# Altium PCB balenaFin_v1_x_x.PcbDoc (part 4 of 7)
Units mm, origin at the board's own origin, x right, y up, seen from the top; angles counter-clockwise.
Board outline 90.03 x 90.03 mm, 8 copper layers (TOP, GND, INT1, INT2, INT3, INT4, POWER, BOTTOM), stack 1.496 mm thick; 502 components, 409 nets, 2324 pads, 1048 vias.
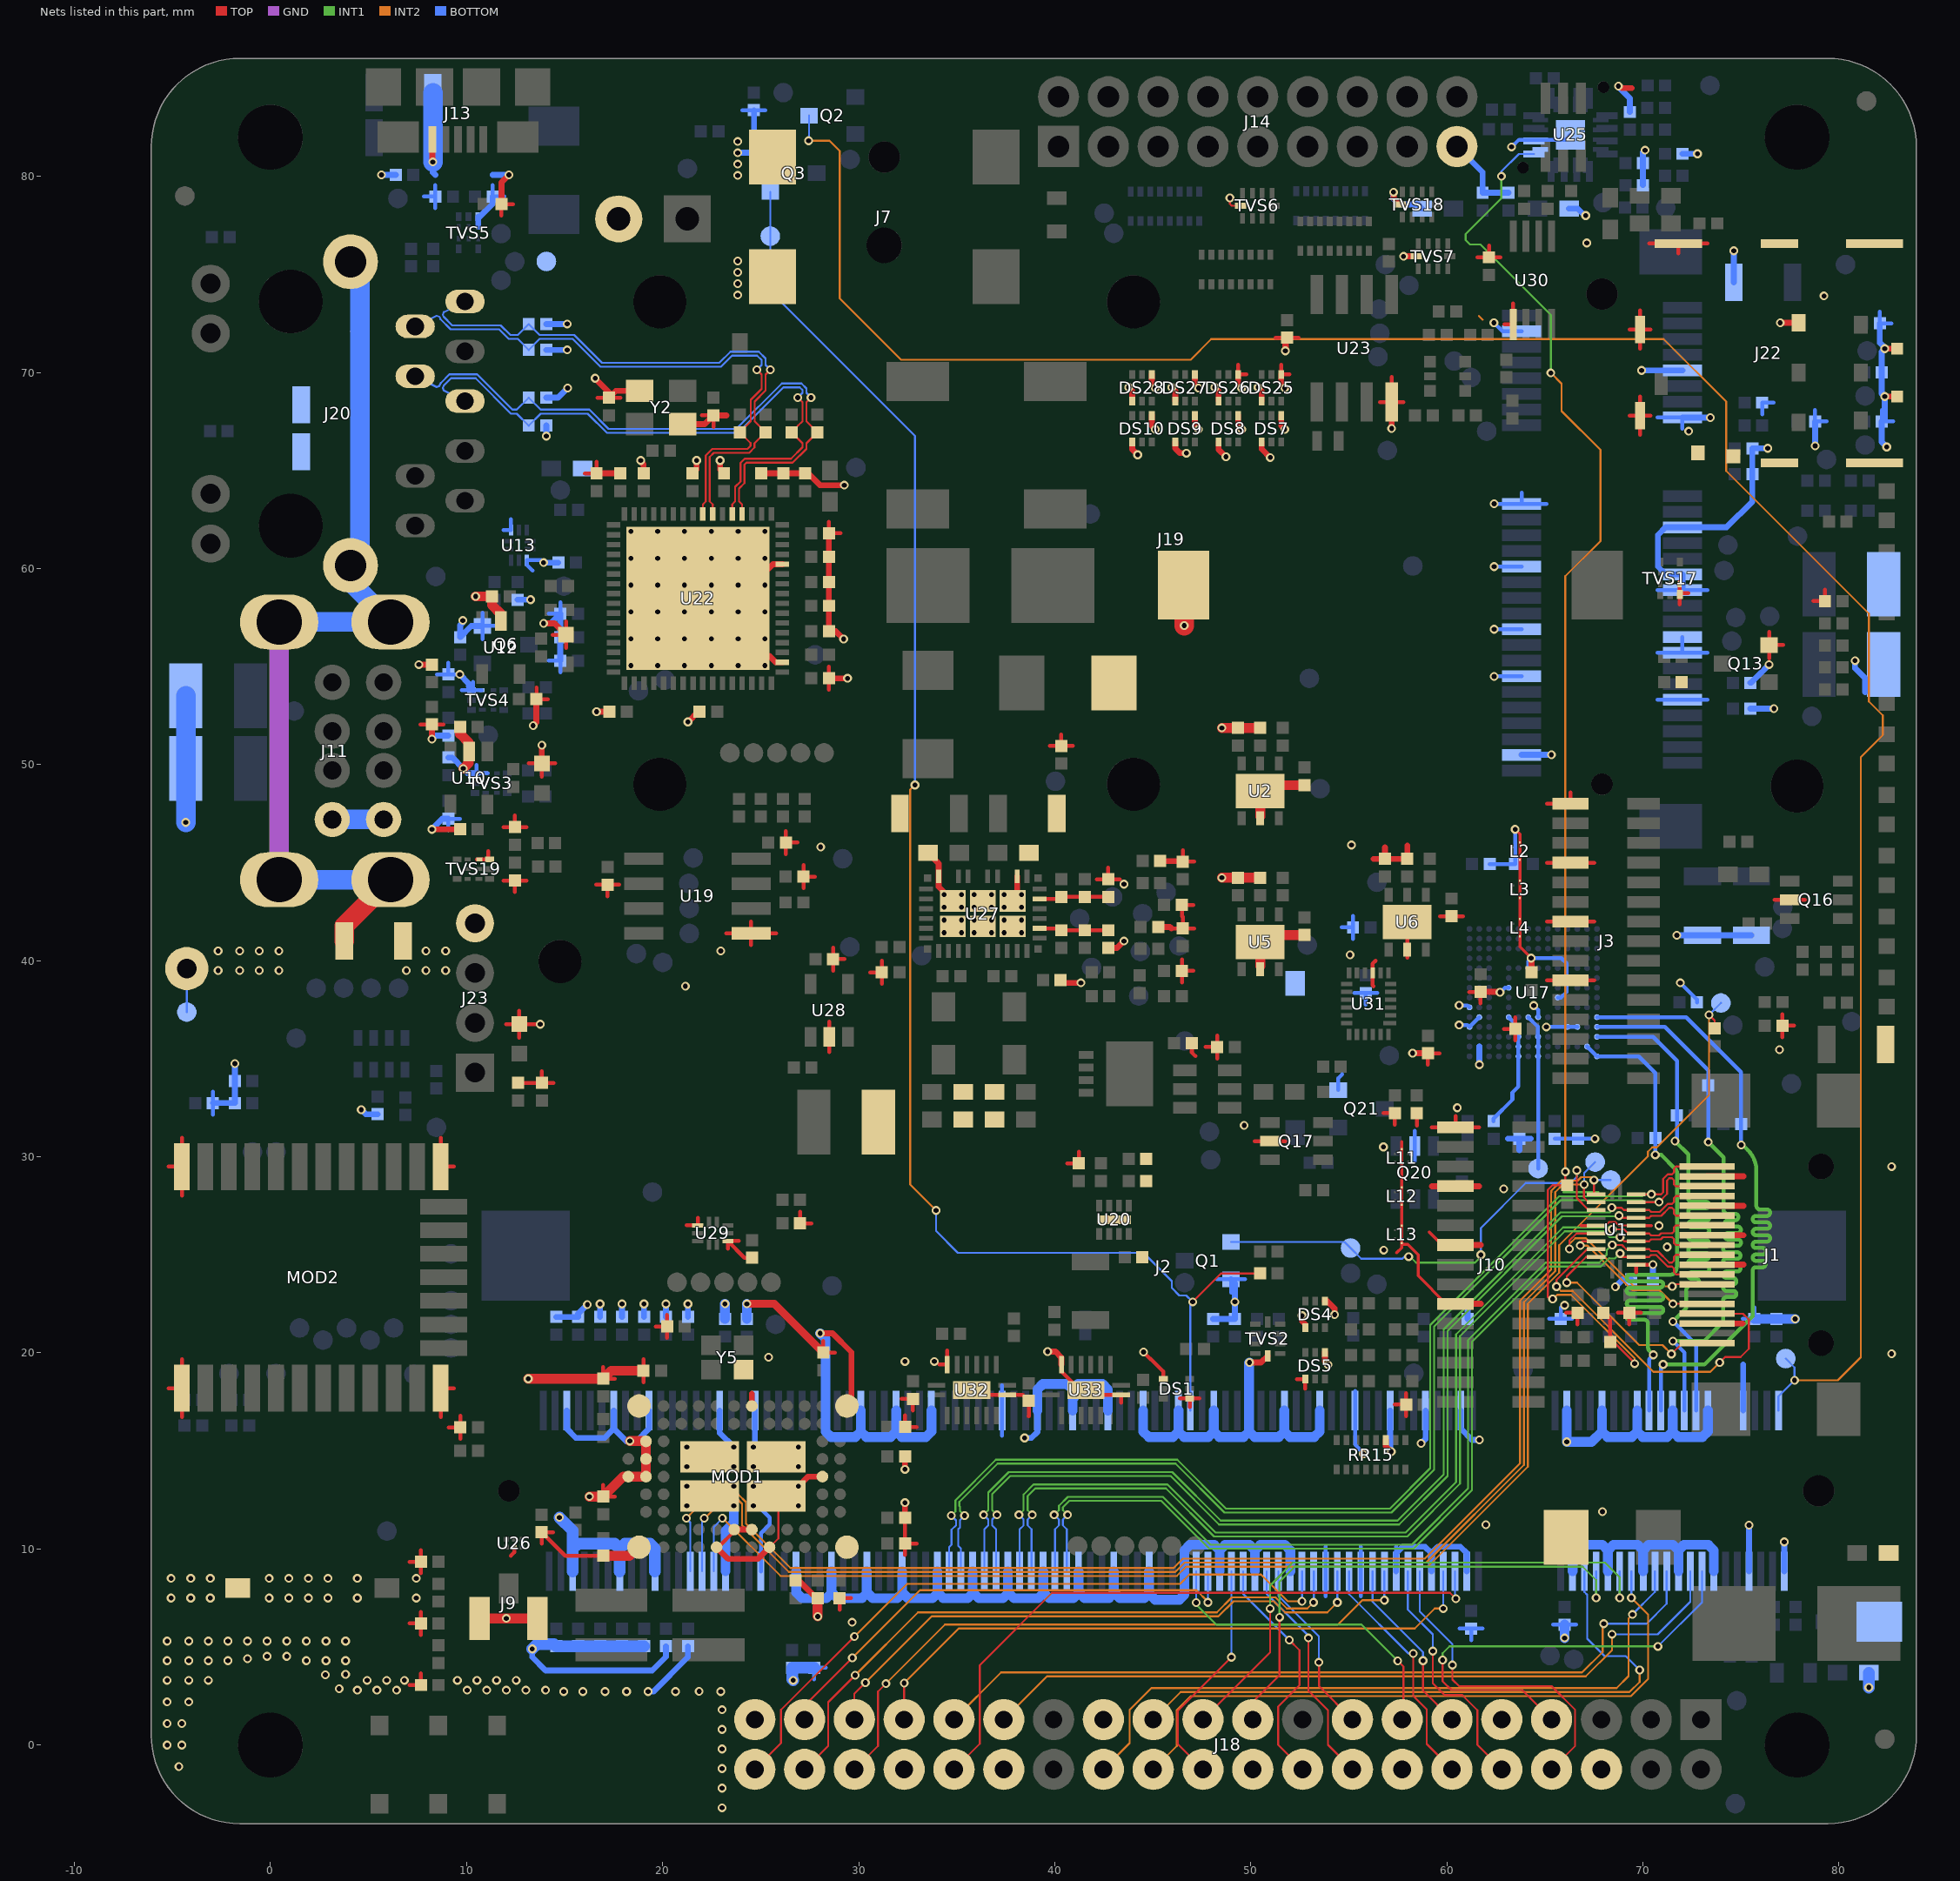
[diagram p10: the nets of this part, all layers, seen from the top]

## Via types
v1: diameter 0.45, hole 0.254, TOP to BOTTOM, tented both sides, 1048 vias

## Nets (pads, with @x,y where several pads share a name; then routed paths per layer and width w, separated by ;. In a path a pad name is that pad's centre, name@x,y a point inside that pad or via, vN(x,y) a via of type N, cw(c..) or ccw(c..) an arc to the next point about the centre after c; other vN are vias at no path point) (continued)
EMMC_D0: J2.16 R138.1 U17.A3 | length 35.6
  INT1 w0.2: v1(71.53,21.6) 72.21,22.28 72.21,23.19 cw(c72.473,23.19) 72.473,23.453 72.697,23.453 ccw(c72.697,23.617) 72.697,23.78 72.473,23.78 cw(c72.473,23.944) 72.473,24.107 73.217,24.107 ccw(c73.217,24.271) 73.217,24.434 72.473,24.434 cw(c72.473,24.598) 72.473,24.761 73.217,24.761 ccw(c73.217,24.925) 73.217,25.088 72.473,25.088 cw(c72.473,25.252) 72.473,25.415 73.217,25.415 ccw(c73.217,25.579) 73.217,25.742 72.473,25.742 cw(c72.473,25.906) 72.473,26.069 73.217,26.069 ccw(c73.217,26.233) 73.217,26.396 72.473,26.396 cw(c72.473,26.56) 72.473,26.723 73.217,26.723 ccw(c73.217,26.887) 73.217,27.05 72.473,27.05 cw(c72.473,27.214) 72.473,27.377 73.217,27.377 ccw(c73.217,27.541) 73.217,27.704 72.473,27.704 cw(c72.473,27.868) 72.31,27.868 72.31,30.12 v1(71.63,30.8)
  BOTTOM w0.2: U17.A3@67.65,36.12 70.51,36.12 71.73,34.9 R138.1@71.73,32.116 71.73,30.9 v1(71.63,30.8) ; v1(71.53,21.6) 72.71,20.42 J2.16@72.71,17.06
EMMC_D1: J2.18 R137.1 U17.A4 | length 35.6
  INT1 w0.2: v1(71.53,20.6) 73.105,20.6 74.085,21.58 74.085,22.677 cw(c74.249,22.677) 74.249,22.84 74.597,22.84 ccw(c74.597,23.003) 74.597,23.167 74.249,23.167 cw(c74.249,23.33) 74.249,23.494 74.597,23.494 ccw(c74.597,23.657) 74.597,23.821 74.249,23.821 cw(c74.249,23.985) 74.249,24.148 74.807,24.148 ccw(c74.807,24.312) 74.807,24.475 74.249,24.475 cw(c74.249,24.639) 74.249,24.802 74.807,24.802 ccw(c74.807,24.965) 74.807,25.129 74.258,25.129 cw(c74.258,25.292) 74.258,25.456 74.832,25.456 ccw(c74.832,25.619) 74.832,25.783 74.334,25.783 cw(c74.334,25.946) 74.334,26.11 74.832,26.11 ccw(c74.832,26.274) 74.832,26.437 74.334,26.437 cw(c74.334,26.601) 74.334,26.764 74.702,26.764 ccw(c74.702,26.928) 74.702,27.091 74.31,27.091 cw(c74.31,27.291) 74.11,27.291 74.11,29.97 v1(73.33,30.75)
  BOTTOM w0.2: U17.A4@67.65,36.62 71.11,36.62 73.33,34.4 R137.1@73.33,33.648 v1(73.33,30.75) ; v1(71.53,20.6) 72.11,20.02 J2.18@72.11,17.06
EMMC_D2: J2.22 R136.1 U17.A5 | length 35.7
  INT1 w0.2: v1(71.03,19.412) 73.142,19.412 75.596,21.866 75.596,24.203 cw(c75.76,24.203) 75.76,24.366 76.099,24.366 ccw(c76.099,24.53) 76.099,24.693 75.76,24.693 cw(c75.76,24.857) 75.76,25.02 76.11,25.02 ccw(c76.11,25.184) 76.11,25.347 75.76,25.347 cw(c75.76,25.511) 75.76,25.674 76.323,25.674 ccw(c76.323,25.838) 76.323,26.001 75.76,26.001 cw(c75.76,26.165) 75.76,26.328 76.323,26.328 ccw(c76.323,26.492) 76.323,26.655 75.76,26.655 cw(c75.76,26.819) 75.76,26.982 76.323,26.982 ccw(c76.323,27.146) 76.323,27.309 75.98,27.309 cw(c75.98,27.509) 75.78,27.509 75.78,29.31 ccw(c74.331,29.31) 75.355,30.335 75.09,30.6 v1(75.005,30.6)
  BOTTOM w0.2: U17.A5@67.65,37.12 72.21,37.12 75.005,34.325 R136.1@75.005,31.675 v1(75.005,30.6) ; J2.22@70.91,17.06 70.91,19.28 71.03,19.4 v1(71.03,19.412)
EMMC_D3: J2.24 R135.1 U17.A1 U17.B2 | length 35.7
  INT1 w0.2: v1(70.53,19.9) 70.319,20.111 cw(c70.46,20.253) 70.26,20.253 70.26,21.491 ccw(c70.06,21.491) 70.06,21.691 69.313,21.691 cw(c69.313,21.854) 69.313,22.017 70.867,22.017 ccw(c70.867,22.181) 70.867,22.344 69.334,22.344 cw(c69.334,22.508) 69.334,22.671 70.867,22.671 ccw(c70.867,22.835) 70.867,22.998 69.334,22.999 cw(c69.334,23.162) 69.334,23.326 70.867,23.326 ccw(c70.867,23.489) 70.867,23.653 69.334,23.653 cw(c69.334,23.816) 69.334,23.979 71.392,23.979 ccw(c71.392,24.279) 71.653,24.134 ; v1(70.63,30.1) 70.93,30.1 71.655,29.375 cw(c71.475,29.195) 71.73,29.195 71.73,24.429 cw(c71.124,24.428) 71.654,24.134
  BOTTOM w0.2: U17.B2@67.15,35.62 U17.A1@67.65,35.12 69.786,35.12 70.63,34.276 R135.1@70.63,30.965 v1(70.63,30.1) ; J2.24@70.31,17.06 70.31,19.68 v1(70.53,19.9)
EMMC_DISABLE_N: J2.2 pad.1@77.28,19.71 Q2.3 | length 118.4
  INT2 w0.1: v1(27.447,81.816) 28.514,81.816 29.037,81.293 29.037,73.776 32.163,70.65 46.931,70.65 47.981,71.7 71.052,71.7 74.24,68.512 74.24,64.973 81.515,57.697 81.515,53.221 82.23,52.506 82.23,51.5 81.11,50.38 81.11,19.78 79.93,18.6 v1(77.73,18.6)
  BOTTOM w0.1: v1(27.447,81.816) 27.465,81.835 Q2.3@27.465,83.1 ; J2.2@76.91,17.06 76.91,17.78 v1(77.73,18.6) 77.73,19.26 pad.1@77.28,19.71
EMMC_DS: pad.1@64.65,29.4 TP41.1 U17.G1 U17.G2 U17.G3 U17.H5 | length 7.9
  BOTTOM w0.2: U17.H5@64.15,37.12 64.63,36.64 64.63,36.14 U17.G3@64.65,36.12 U17.G2@64.65,35.62 U17.G1@64.65,35.12 pad.1@64.65,29.4
EMMC_EN_N_1V8: J2.90 pad.1@25.49,76.95 Q3.1 R22.1 | length 81.1
  TOP w0.1: v1(47.03,22.6) 48.48,24.05 R22.1@50.47,24.05
  INT2 w0.1: v1(32.869,48.961) 32.63,48.722 32.63,28.58 v1(33.945,27.265)
  BOTTOM w0.1: Q3.1@25.49,79.21 pad.1@25.49,76.95 25.49,74.14 32.869,66.761 v1(32.869,48.961) ; v1(33.945,27.265) 33.945,26.215 35.06,25.1 44.53,25.1 45.97,23.66 45.97,23.311 46.351,22.93 46.7,22.93 v1(47.03,22.6) 46.91,22.48 J2.90@46.91,17.06
EMMC_RST: R133.1 U17.J1 U17.J2 U17.J3 U17.K5 | length 6
  BOTTOM w0.2: R133.1@62.38,31.82 62.38,31.95 63.34,32.91 63.34,33.28 63.65,33.59 U17.J1@63.65,35.12 U17.J2@63.65,35.62 U17.J3@63.65,36.12 63.65,36.62 U17.K5@63.15,37.12
ETH_RX+: C138.1 J20.4 R164.1 U22.52 | length 33
  TOP w0.1: U22.52@24.05,62.78 24.05,63.273 23.9,63.423 23.9,64.081 24.171,64.352 24.171,65.3 24.271,65.4 26.628,65.4 27.33,66.102 27.33,66.39 R164.1@27.89,66.95 27.33,67.51 27.33,68.479 v1(27.571,68.72)
  BOTTOM w0.1: J20.4@7.38,69.805 8.471,69.26 8.605,69.304 8.683,69.46 9.123,69.9 10.543,69.9 12.343,68.1 12.56,68.1 C138.1@13.17,68.71 13.78,68.1 16.263,68.1 17.243,67.12 23.757,67.12 26.077,69.44 27.075,69.44 27.33,69.185 27.33,68.96 v1(27.571,68.72)
ETH_RX-: C139.1 J20.5 R165.1 U22.53 | length 32.5
  TOP w0.1: U22.53@23.55,62.78 23.55,63.273 23.7,63.423 23.7,64.163 23.971,64.435 23.971,65.383 24.189,65.6 26.545,65.6 27.13,66.185 27.13,66.39 R165.1@26.57,66.95 26.905,67.285 27.13,67.51 27.13,68.479 v1(26.89,68.72)
  BOTTOM w0.1: J20.5@9.92,68.535 8.829,69.081 8.784,69.215 8.847,69.341 9.206,69.7 10.46,69.7 12.26,67.9 12.56,67.9 C139.1@13.17,67.29 13.78,67.9 16.18,67.9 17.16,66.92 23.84,66.92 26.16,69.24 26.992,69.24 27.13,69.102 27.13,68.96 v1(26.89,68.72)
ETH_TX+: C136.1 J20.1 R162.1 U22.55 | length 30.6
  TOP w0.1: U22.55@22.55,62.78 22.55,63.273 22.4,63.423 22.4,65.687 22.613,65.9 23.4,65.9 ; 23.4,65.901 24.413,65.901 24.684,66.172 24.684,66.384 R162.1@25.25,66.95 24.69,67.51 24.69,68.517 25.25,69.077 25.25,69.894 v1(25.491,70.135)
  BOTTOM w0.1: J20.1@9.92,73.615 8.829,73.07 8.784,72.935 8.833,72.838 9.271,72.4 11.743,72.4 12.233,71.91 12.61,71.91 C136.1@13.17,72.47 13.73,71.91 15.493,71.91 16.913,70.49 22.89,70.49 23.46,71.06 24.903,71.06 25.25,70.713 25.25,70.375 v1(25.491,70.135)
ETH_TX-: C137.1 J20.2 R163.1 U22.56 | length 30.5
  TOP w0.1: U22.56@22.05,62.78 22.05,63.273 22.2,63.423 22.2,65.77 22.53,66.1 23.317,66.1 ; 23.317,66.101 24.33,66.101 24.484,66.255 24.484,66.396 R163.1@23.93,66.95 24.49,67.51 24.49,68.6 25.05,69.16 25.05,69.894 v1(24.81,70.135)
  BOTTOM w0.1: J20.2@7.38,72.345 8.471,72.891 8.605,72.846 8.669,72.719 9.188,72.2 11.66,72.2 12.15,71.71 12.61,71.71 C137.1@13.17,71.15 13.73,71.71 15.41,71.71 16.83,70.29 22.973,70.29 23.543,70.86 24.82,70.86 25.05,70.63 25.05,70.375 v1(24.81,70.135)
FB_3V3: C221.2 R258.1 R266.2 U27.31 | length 3.5
  TOP w0.2: U27.31@39.23,43.15 40.23,43.15 C221.2@40.33,43.25 R258.1@41.53,43.25 R266.2@42.73,43.25
FB_5V: C220.2 R257.1 R265.2 U27.28 | length 3.5
  TOP w0.2: U27.28@39.23,41.65 40.23,41.65 C220.2@40.33,41.55 R257.1@41.53,41.55 R265.2@42.73,41.55
GND_DIGITAL: BAT1.2 C1.2 C2.2 C3.2 C4.1 C5.2 C6.1 C7.2 C8.1 C9.2 C10.2 C11.2 C12.2 C13.1 C14.2 C15.1 C16.2 C17.1 C18.2 C19.1 C20.2 C21.1 C22.2 C23.1 C24.2 C25.1 C26.2 C27.2 C28.2 C39.2 C40.2 C42.2 C43.2 C60.2 C61.2 C63.2 C64.2 C68.2 C69.2 C70.2 C71.1 C75.2 C76.2 C77.2 C78.2 C79.2 C85.2 C86.2 C87.2 C88.2 C89.1 C91.2 C92.2 C93.2 C107.1 C108.1 C109.1 C110.1 C111.1 C112.1 C113.2 C114.2 C115.1 C116.1 C117.2 C118.2 C119.2 C120.2 C121.1 C122.1 C123.2 C124.2 C134.1 C135.2 C136.2 C137.2 C138.2 C139.2 C140.2 C147.2 C148.2 C149.2 C150.2 C151.2 C152.2 C153.2 C154.2 C155.2 C156.2 C170.1 C171.1 C172.1 C173.1 C174.1 C175.1 C176.1 C177.2 C178.2 C179.2 C180.2 C181.2 C182.2 C183.1 C184.2 C185.1 C186.2 C187.1 C188.2 C189.1 C190.1 C191.1 C192.1 C193.1 C194.1 C195.1 C196.1 C197.1 C198.1 C199.1 C201.2 C204.2 C205.1 C206.1 C207.2 C208.2 C209.2 C210.1 C211.2 C212.1 C213.1 C214.1 C215.1 C216.1 C217.1 C222.2 C223.2 C224.2 C225.2 C226.2 C227.2 C228.2 C229.2 C230.2 C231.2 C232.2 C234.2 C235.2 C236.2 C237.2 C238.2 C239.2 C240.2 C241.2 C242.2 C243.2 C244.2 C245.2 DS1.1 DS1.4 DS4.1 DS4.4 DS5.1 DS5.4 DS7.1 DS7.4 DS8.1 DS8.4 DS9.1 DS9.4 DS10.1 DS10.4 DS25.1 DS25.4 DS26.1 DS26.4 DS27.1 DS27.4 DS28.1 DS28.4 DSW1.1 DSW2.1 J1.2 J1.5 J1.8 J1.11 J1.17 J2.1 J2.7 J2.8 J2.13 J2.14 J2.19 J2.20 J2.25 J2.26 J2.31 J2.32 J2.37 J2.38 J2.43 J2.44 J2.49 J2.50 J2.55 J2.56 J2.61 J2.62 J2.67 J2.68 J2.73 J2.74 J2.79 J2.80 J2.85 J2.86 J2.91 J2.92 J2.97 J2.98 J2.103 J2.104 J2.109 J2.110 J2.115 J2.116 J2.121 J2.122 J2.127 J2.133 J2.134 J2.139 J2.140 J2.145 J2.146 J2.151 J2.152 J2.157 J2.163 J2.164 J2.169 J2.170 J2.181 J2.182 J2.187 J2.188 J2.195 J2.196 J3.1 J3.4 J3.7 J3.10 J7.2 J7.3 J9.2 J9.3 J10.1 J10.4 J10.7 J10.10 J11.4 J11.8 J13.5 J14.17 J18.6 J18.9 J18.14 J18.20 J18.25 J18.30 J18.34 J18.39 J19.4 J19.9 J19.15 J19.18 J19.21 J19.26 J19.27 J19.29 J19.34 J19.35 J19.37 J19.40 J19.43 J19.50 J21.2 J22.5 J22.8 J22.9 J22.10 J22.11 J22.12 J22.14 J22.15 J22.16 J22.17 J22.18 J22.19 J23.4 L2.5 L2.6 L3.5 L3.6 L4.5 L4.6 L10.1 L11.5 L11.6 L12.5 L12.6 L13.5 L13.6 LD15.1 LD16.1 LD18.1 MOD1.A1 MOD1.A9 MOD1.B5 MOD1.E4 MOD1.E6 MOD1.E9 MOD1.F1 MOD1.F8 MOD1.G8 MOD1.H4 MOD1.H6 MOD1.H9 MOD1.M1 MOD1.M3 MOD1.M4 MOD1.M5 MOD1.M9 MOD1.N5 MOD2.1 MOD2.12 MOD2.20 MOD2.31 pad.1@14.07,75.66 pad.1@-4.27,37.38 Q1.2 Q3.2 Q6.2 Q13.2 Q16.5 Q17.5 Q20.5 Q21.2 R7.1 R10.1 R18.1 R20.1 R28.2 R29.2 R32.1 R37.1 R46.1 R52.1 R67.1 R96.1 R116.1 R117.1 R132.2 R139.1 R140.1 R153.1 R170.1 R171.1 R201.2 R202.2 R218.1 R221.1 R222.1 R229.1 R231.1 R232.1 R247.1 R260.1 R262.1 R263.1 R264.1 R265.1 R266.1 R275.1 R298.1 R309.1 RR15.11 TP21.1 TVS1.2 TVS2.5 TVS3.3 TVS4.3 TVS5.3 TVS6.5 TVS7.5 TVS15.2 TVS16.2 TVS17.3 TVS18.5 TVS19.3 U1.5 U1.13 U1.18 U2.2 U2.7 U5.2 U5.7 U6.2 U6.7 U10.2 U12.2 U13.3 U13.8 U17.C4 U17.D4 U17.E7 U17.G5 U17.H10 U17.K8 U17.N1 U17.N2 U17.N5 U17.P4 U17.P6 U19.5 U20.9 U22.34 U22.44 U22.65 U23.4 U25.6 U25.17 U26.2 U27.2 U27.10 U27.33 U27.34 U27.35 U27.36 U27.37 U27.38 U28.2 U29.3 U29.8 U30.5 U31.9 U32.8 U32.15 U32.17 U33.8 U33.15 U33.17 Y2.2 Y2.4 Y5.2 | length 723.2
  TOP w0.1: MOD1.E9@25.45,10.09 25.9,10.54 25.9,12.59 MOD1.E6@25.8,12.69 ; v1(48.93,78.9) 48.93,78.6 49.03,78.5 TVS6.5@49.47,78.5 ; U1.5@67.61,26.49 68.09,26.49 68.275,26.675 68.585,26.675 68.76,26.5 69.65,26.5 U1.18@69.66,26.49
  TOP w0.15: 57.43,25.1 57.69,25.36 L13.5@57.69,25.622 ; 57.69,30.77 L13.5@57.69,25.622 ; 59.095,26.165 59.76,25.5 J10.7@60.438,25.5 ; J10.10@60.438,22.5 59.965,22.5 58.53,23.935 58.53,24.997 58.002,25.525 57.788,25.525 L13.5@57.69,25.622 ; v1(63.48,46.7) 63.72,46.46 63.72,40.71 v1(64.299,40.131) ; 66.84,26.49 U1.5@67.61,26.49 ; U1.18@69.66,26.49 70.42,26.49
  TOP w0.2: -5.198,18.2 MOD2.1@-4.52,18.2 ; -5.198,29.5 MOD2.31@-4.52,29.5 ; -4.52,16.722 MOD2.1@-4.52,18.2 ; -4.52,19.678 MOD2.1@-4.52,18.2 ; -4.52,28.022 MOD2.31@-4.52,29.5 ; -4.52,30.978 MOD2.31@-4.52,29.5 ; 7.082,3.06 C60.2@7.67,3.06 7.67,3.648 ; 7.082,6.2 C201.2@7.67,6.2 ; 7.082,9.34 L10.1@7.67,9.34 ; 7.645,52.05 C70.2@8.233,52.05 8.821,52.05 ; 7.67,5.612 C201.2@7.67,6.2 ; 7.67,6.788 C201.2@7.67,6.2 ; 7.67,8.752 L10.1@7.67,9.34 ; 7.67,9.928 L10.1@7.67,9.34 ; 8.68,16.722 MOD2.12@8.68,18.2 9.358,18.2 ; 8.68,30.978 MOD2.20@8.68,29.5 9.358,29.5 ; 9.092,16.2 R275.1@9.68,16.2 ; 9.68,15.612 R275.1@9.68,16.2 ; 9.68,16.788 R275.1@9.68,16.2 ; TVS19.3@10.522,45.17 11.1,45.17 11.1,45.598 ; 11.78,77.992 C88.2@11.78,78.58 12.368,78.58 ; 11.882,44.09 C237.2@12.47,44.09 ; 11.882,46.81 C238.2@12.47,46.81 ; 12.012,36.76 LD18.1@12.69,36.76 ; 12.26,9.66 12.43,9.83 U26.2@12.43,10.1 ; 12.47,43.502 C237.2@12.47,44.09 ; 12.47,47.398 C238.2@12.47,46.81 ; C239.2@12.62,33.77 C236.2@13.84,33.77 ; 12.69,36.082 LD18.1@12.69,36.76 ; 12.69,37.438 LD18.1@12.69,36.76 ; 13.058,44.09 C237.2@12.47,44.09 ; 13.058,46.81 C238.2@12.47,46.81 ; 13.162,50.06 LD15.1@13.84,50.06 ; 13.56,53.928 C75.2@13.56,53.34 14.148,53.34 ; v1(13.76,36.76) LD18.1@12.69,36.76 ; 13.83,10.262 C210.1@13.83,10.85 ; 13.84,34.358 C236.2@13.84,33.77 ; 13.84,49.382 LD15.1@13.84,50.06 ; 14.392,56.62 LD16.1@15.07,56.62 ; 14.418,10.85 C210.1@13.83,10.85 ; 14.428,33.77 C236.2@13.84,33.77 ; 14.518,50.06 LD15.1@13.84,50.06 ; 15.07,55.942 LD16.1@15.07,56.62 ; 15.07,57.298 LD16.1@15.07,56.62 ; 16.042,64.85 C176.1@16.63,64.85 16.63,65.438 ; 16.602,43.87 R170.1@17.19,43.87 ; 16.682,68.71 C148.2@17.27,68.71 17.858,68.71 ; R221.1@16.97,9.65 15.03,9.65 C210.1@13.83,10.85 ; 16.97,13.258 C191.1@16.97,12.67 17.558,12.67 ; 16.97,19.268 R222.1@16.97,18.68 17.558,18.68 ; 17.19,43.282 R170.1@17.19,43.87 ; 17.778,43.87 R170.1@17.19,43.87 ; 19.02,18.502 C196.1@19.02,19.09 19.02,19.678 ; 19.642,21.35 C231.2@20.23,21.35 ; 20.23,20.762 C231.2@20.23,21.35 ; 20.23,21.938 C231.2@20.23,21.35 ; 21.232,26.5 U29.3@21.792,26.5 21.792,26.891 ; 22.002,67.81 C147.2@22.59,67.81 22.59,67.222 ; MOD1.H9@22.75,10.09 22.84,10.09 23.65,10.9 MOD1.G8@23.65,10.99 ; 23.237,41.39 U19.5@24.516,41.39 ; 23.329,25.309 U29.8@23.329,25.7 ; 23.888,25.7 U29.8@23.329,25.7 ; 24.516,40.793 U19.5@24.516,41.39 ; 24.516,41.987 U19.5@24.516,41.39 ; C241.2@24.56,24.85 24.179,24.85 U29.8@23.329,25.7 ; 25.796,41.39 U19.5@24.516,41.39 ; 26.29,45.442 C140.2@26.29,46.03 ; 26.29,46.618 C140.2@26.29,46.03 ; 26.878,46.03 C140.2@26.29,46.03 ; 27.01,27.188 R298.1@27.01,26.6 27.598,26.6 ; 27.18,43.702 R171.1@27.18,44.29 ; 27.18,44.878 R171.1@27.18,44.29 ; 27.768,44.29 R171.1@27.18,44.29 ; 28.19,20.598 C193.1@28.19,20.01 28.778,20.01 ; 28.48,53.812 C179.2@28.48,54.4 28.48,54.988 ; 28.48,62.388 C186.2@28.48,61.8 29.068,61.8 ; 28.5,35.332 U28.2@28.5,36.11 28.5,36.888 ; 28.69,39.492 C235.2@28.69,40.08 ; 28.69,40.668 C235.2@28.69,40.08 ; 29.03,6.902 C199.1@29.03,7.49 29.618,7.49 ; 29.278,40.08 C235.2@28.69,40.08 ; 30.592,39.4 R264.1@31.18,39.4 ; 31.18,38.812 R264.1@31.18,39.4 ; 31.18,39.988 R264.1@31.18,39.4 ; 32.172,17.65 C244.2@32.76,17.65 32.76,17.062 ; 32.36,9.692 R218.1@32.36,10.28 ; C189.1@32.36,11.59 R218.1@32.36,10.28 ; 32.36,16.808 C195.1@32.36,16.22 32.948,16.22 ; 32.948,10.28 R218.1@32.36,10.28 ; 34.122,19.4 U32.15@34.52,19.4 34.52,20.128 ; U32.17@35.77,18.1 35.87,18.1 36.12,17.85 U32.8@37.57,17.85 38.38,17.85 C245.2@38.68,17.55 38.68,16.78 38.66,16.76 ; 39.742,50.95 R263.1@40.33,50.95 ; 40.33,51.538 R263.1@40.33,50.95 ; U33.15@40.34,19.4 40.34,19.047 41.287,18.1 U33.17@41.59,18.1 41.84,17.85 U33.8@43.39,17.85 43.39,17.452 ; 40.642,29.67 C152.2@41.23,29.67 41.23,30.258 ; 40.918,50.95 R263.1@40.33,50.95 ; 42.142,44.15 R266.1@42.73,44.15 ; 42.73,44.738 R266.1@42.73,44.15 ; 43.318,44.15 R266.1@42.73,44.15 ; v1(44.525,20.038) 44.875,19.687 44.893,19.687 45.535,19.046 DS1.4@45.535,18.67 ; 45.942,41.65 C216.1@46.53,41.65 ; 46.382,17.67 DS1.1@46.885,17.67 ; 46.48,38.892 C217.1@46.48,39.48 ; 46.48,40.068 C217.1@46.48,39.48 ; 46.48,42.252 C214.1@46.48,42.84 47.068,42.84 ; 46.53,42.238 C216.1@46.53,41.65 ; 46.53,45.638 C213.1@46.53,45.05 47.118,45.05 ; 46.885,17.242 DS1.1@46.885,17.67 ; R260.1@46.99,35.79 46.99,35.31 47.17,35.13 ; 47.068,39.48 C217.1@46.48,39.48 ; 47.118,41.65 C216.1@46.53,41.65 ; 47.388,17.67 DS1.1@46.885,17.67 ; 47.692,35.6 R262.1@48.28,35.6 ; 48.28,35.012 R262.1@48.28,35.6 ; 48.28,36.188 R262.1@48.28,35.6 ; 49.35,70.398 DS26.1@49.35,69.895 49.778,69.895 ; 50.202,30.8 Q17.5@50.98,30.8 51.758,30.8 ; 51.252,71.77 C188.2@51.84,71.77 ; 51.55,70.398 DS25.4@51.55,69.895 51.978,69.895 ; v1@51.84,71.182 C188.2@51.84,71.77 ; 52.352,18.665 DS5.1@52.78,18.665 52.78,18.162 ; 52.428,71.77 C188.2@51.84,71.77 ; 56.26,38.7 56.21,38.75 U31.9@56.21,39.378 56.21,39.85 56.36,40 ; 56.583,68.49 U23.4@57.18,68.49 ; 56.752,32.23 C12.2@57.34,32.23 57.34,31.642 ; v1(57.16,14.96) v1@57.16,15.087 ; 57.18,69.77 U23.4@57.18,68.49 ; 57.332,17.36 C61.2@57.92,17.36 ; 57.777,68.49 U23.4@57.18,68.49 ; 57.92,16.772 C61.2@57.92,17.36 ; 57.92,17.948 C61.2@57.92,17.36 ; 57.98,40.152 U6.7@57.98,41.208 ; 58.46,31.6 C11.2@58.46,32.23 ; 59.03,34.692 C109.1@59.03,35.28 59.618,35.28 ; 59.234,31.5 J10.1@60.438,31.5 ; 59.652,42.27 C42.2@60.24,42.27 60.828,42.27 ; 60.438,32.078 J10.1@60.438,31.5 ; 61.132,38.41 C112.1@61.72,38.41 61.72,37.822 ; 61.562,75.87 C242.2@62.15,75.87 ; 61.641,31.5 J10.1@60.438,31.5 ; 62.15,76.458 C242.2@62.15,75.87 ; 62.738,75.87 C242.2@62.15,75.87 ; 62.902,36.52 C111.1@63.49,36.52 ; 62.927,72.45 U30.5@63.38,72.45 63.38,73.528 ; 63.49,35.932 C111.1@63.49,36.52 ; 63.49,37.108 C111.1@63.49,36.52 ; 65.104,39 J3.10@66.308,39 67.511,39 ; 65.104,42 J3.7@66.308,42 67.511,42 ; 65.104,45 J3.4@66.308,45 67.511,45 ; 65.104,48 J3.1@66.308,48 66.308,48.578 ; 66.072,22.04 C9.2@66.66,22.04 66.66,21.452 ; 68.712,22.04 C10.2@69.3,22.04 ; 69.3,21.452 C10.2@69.3,22.04 ; 69.327,67.79 J22.12@69.855,67.79 ; 69.327,72.19 J22.14@69.855,72.19 ; 69.66,24.112 U1.13@69.66,24.49 v1@70.413,24.49 ; 69.855,66.812 J22.12@69.855,67.79 ; 69.855,68.768 J22.12@69.855,67.79 ; 69.855,71.212 J22.14@69.855,72.19 ; 69.855,73.168 J22.14@69.855,72.19 ; 69.888,22.04 C10.2@69.3,22.04 ; 70.327,76.57 J22.15@71.805,76.57 ; 70.383,67.79 J22.12@69.855,67.79 ; 70.383,72.19 J22.14@69.855,72.19 ; 71.805,76.067 J22.15@71.805,76.57 ; 71.88,58.172 TVS17.3@71.88,58.75 ; TVS17.3@71.88,59.328 TVS17.3@71.88,58.75 ; 72.308,58.75 TVS17.3@71.88,58.75 ; 73.283,76.57 J22.15@71.805,76.57 ; 76.43,55.422 Q13.2@76.43,56.1 ; 76.43,56.778 Q13.2@76.43,56.1 ; 76.702,43.1 Q16.5@77.48,43.1 78.258,43.1 ; 77.11,36.102 C3.2@77.11,36.69 ; 77.11,37.278 C3.2@77.11,36.69 ; 77.158,56.1 Q13.2@76.43,56.1 ; 77.698,36.69 C3.2@77.11,36.69 ; 78.692,58.34 R67.1@79.28,58.34 79.28,58.928
  TOP w0.3: v1(7.571,55.1) C79.2@8.233,55.1 ; v1(8.23,46.7) C63.2@9.67,46.7 ; v1(8.233,51.303) C70.2@8.233,52.05 ; J13.5@8.26,81.875 8.26,80.83 8.28,80.81 v1(8.28,80.732) ; C88.2@11.78,78.58 11.78,79.69 v1(12.16,80.07) ; v1(13.395,51.985) 13.56,52.15 C75.2@13.56,53.34 ; LD15.1@13.84,50.06 v1(13.84,50.99) ; v1(13.93,57.2) 14.49,57.2 LD16.1@15.07,56.62 ; v1(16.56,69.7) 17.27,68.99 C148.2@17.27,68.71 17.62,69.06 Y2.2@18.83,69.06 ; v1(16.63,52.7) C181.2@17.28,52.7 ; C176.1@16.63,64.85 R201.2@17.83,64.85 ; v1(18.88,65.512) 18.88,65.45 19.03,65.3 C185.1@19.03,64.85 ; Y2.4@21.03,67.36 22.14,67.36 C147.2@22.59,67.81 23.252,67.81 ; v1@21.355,52.175 v1(21.291,52.175) 21.816,52.7 C180.2@21.88,52.7 ; C175.1@21.53,64.85 21.73,65.05 v1(21.73,65.512) ; MOD1.H9@22.75,10.09 23.35,9.49 24.85,9.49 MOD1.E9@25.45,10.09 ; v1(22.93,65.512) 22.93,65.052 C174.1@23.13,64.85 ; MOD1.G8@23.65,10.99 MOD1.F8@24.55,10.99 ; MOD1.F1@24.55,17.29 24.55,17.92 ; C173.1@25.03,64.85 R202.2@26.15,64.85 C172.1@27.27,64.85 27.426,64.85 28.026,64.25 v1(29.26,64.25) ; U22.34@26.11,55.22 25.76,55.22 25.428,55.552 24.718,55.552 v1(23.852,56.418) v1(22.484,57.786) U22.65@21.8,58.47 v1(22.484,59.154) 23.33,60 25.408,60 25.628,60.22 U22.44@26.11,60.22 ; C190.1@26.79,8.39 26.936,8.39 27.836,7.49 C194.1@27.91,7.49 ; v1(26.93,13.2) 27.42,13.69 MOD1.B5@28.15,13.69 ; v1(28.035,21) 28.66,21 29.63,20.03 29.63,17.52 MOD1.A1@29.4,17.29 ; C179.2@28.48,54.4 v1(29.43,54.4) ; C186.2@28.48,61.8 C177.2@28.48,60.6 C178.2@28.48,59.3 C184.2@28.48,58.1 C182.2@28.48,56.8 28.83,56.8 v1(29.23,56.4) ; C189.1@32.36,11.59 v1(32.36,12.36) ; v1(32.36,14.058) C192.1@32.36,14.72 ; C223.2@33.53,45.5 34.08,44.95 U27.10@34.08,44.3 34.08,43.77 U27.37@34.8,43.05 ; U27.33@37.86,43.05 38.08,43.27 U27.2@38.08,44.3 ; v1(39.638,20.06) 40.04,20.06 40.34,19.76 U33.15@40.34,19.4 ; C226.2@40.3,39 40.43,38.87 v1(41.33,38.87) ; R265.1@42.73,40.65 43.18,40.65 v1(43.53,41) ; v1(43.77,69.24) 43.95,69.06 DS28.4@43.95,68.545 ; DS10.1@43.95,66.445 43.95,66.08 v1(44.23,65.8) ; DS10.4@44.95,67.795 44.95,67.28 v1(45.13,67.1) ; DS28.1@44.95,69.895 44.95,69.38 v1(45.13,69.2) ; C215.1@45.28,41.72 45.872,41.72 45.942,41.65 ; C212.1@45.38,45.08 46.5,45.08 C213.1@46.53,45.05 ; v1(45.97,69.24) 46.15,69.06 DS27.4@46.15,68.545 ; DS9.1@46.15,66.445 46.15,66.129 46.396,65.882 v1(46.712,65.882) ; DS9.4@47.15,67.795 47.15,67.28 v1(47.33,67.1) ; DS27.1@47.15,69.895 47.15,69.38 v1(47.33,69.2) ; v1(48.17,69.24) 48.35,69.06 DS26.4@48.35,68.545 ; DS8.1@48.35,66.445 48.35,66.08 v1(48.73,65.7) ; DS8.4@49.35,67.795 49.35,67.28 v1(49.53,67.1) ; DS26.1@49.35,69.895 49.35,69.38 v1(49.53,69.2) ; v1(49.93,19.51) 50.52,19.51 TVS2.5@50.86,19.85 ; v1(50.37,69.24) 50.55,69.06 DS25.1@50.55,68.545 ; DS7.1@50.55,66.445 50.55,66.1 v1(50.99,65.66) ; DS7.4@51.55,67.795 51.55,67.28 v1(51.73,67.1) ; DS25.4@51.55,69.895 51.55,69.38 v1(51.73,69.2) ; v1(51.755,71.1) 51.755,71.685 C188.2@51.84,71.77 ; v1(52.613,21.899) 52.613,21.617 52.78,21.45 DS4.4@52.78,21.285 ; DS5.4@53.78,20.015 53.78,19.55 v1(53.93,19.4) ; DS4.1@53.78,22.635 53.895,22.635 54.273,22.257 v1(54.273,21.952) ; 56.252,45.19 C43.2@56.84,45.19 ; 56.84,45.778 C43.2@56.84,45.19 ; RR15.11@56.88,15.55 56.88,15.24 v1(57.16,14.96) ; v1(57.18,67.136) U23.4@57.18,68.49 ; v1(57.279,79.193) 57.279,78.901 TVS18.5@57.62,78.56 ; v1(57.788,75.92) TVS7.5@58.43,75.92 ; 57.98,45.87 R52.1@57.98,45.19 C43.2@56.84,45.19 ; v1(58.25,35.28) C109.1@59.03,35.28 ; 59.234,28.5 J10.4@60.438,28.5 61.641,28.5 ; J10.10@60.438,22.5 61.73,22.5 ; J10.7@60.438,25.5 61.73,25.5 ; C112.1@61.72,38.41 62.682,38.41 v1(62.705,38.387) ; v1(64.299,40.131) 64.32,40.11 C110.1@64.32,39.4 ; v1(68.748,84.6) 68.83,84.6 68.935,84.495 69.425,84.495 ; J1.17@73.27,21.5 75.07,21.5 ; J1.11@73.27,24.5 75.13,24.5 ; J1.8@73.27,26 75.13,26 ; J1.5@73.27,27.5 75.13,27.5 ; J1.2@73.27,29 75.13,29 ; v1(77,72.53) J22.5@77.935,72.53 ; v1(82.33,68.77) J22.19@82.955,68.77 ; v1(82.33,71.21) J22.18@82.955,71.21